# Altium PCB DRS4-PCB.PcbDoc (part 5 of 15) (continued)
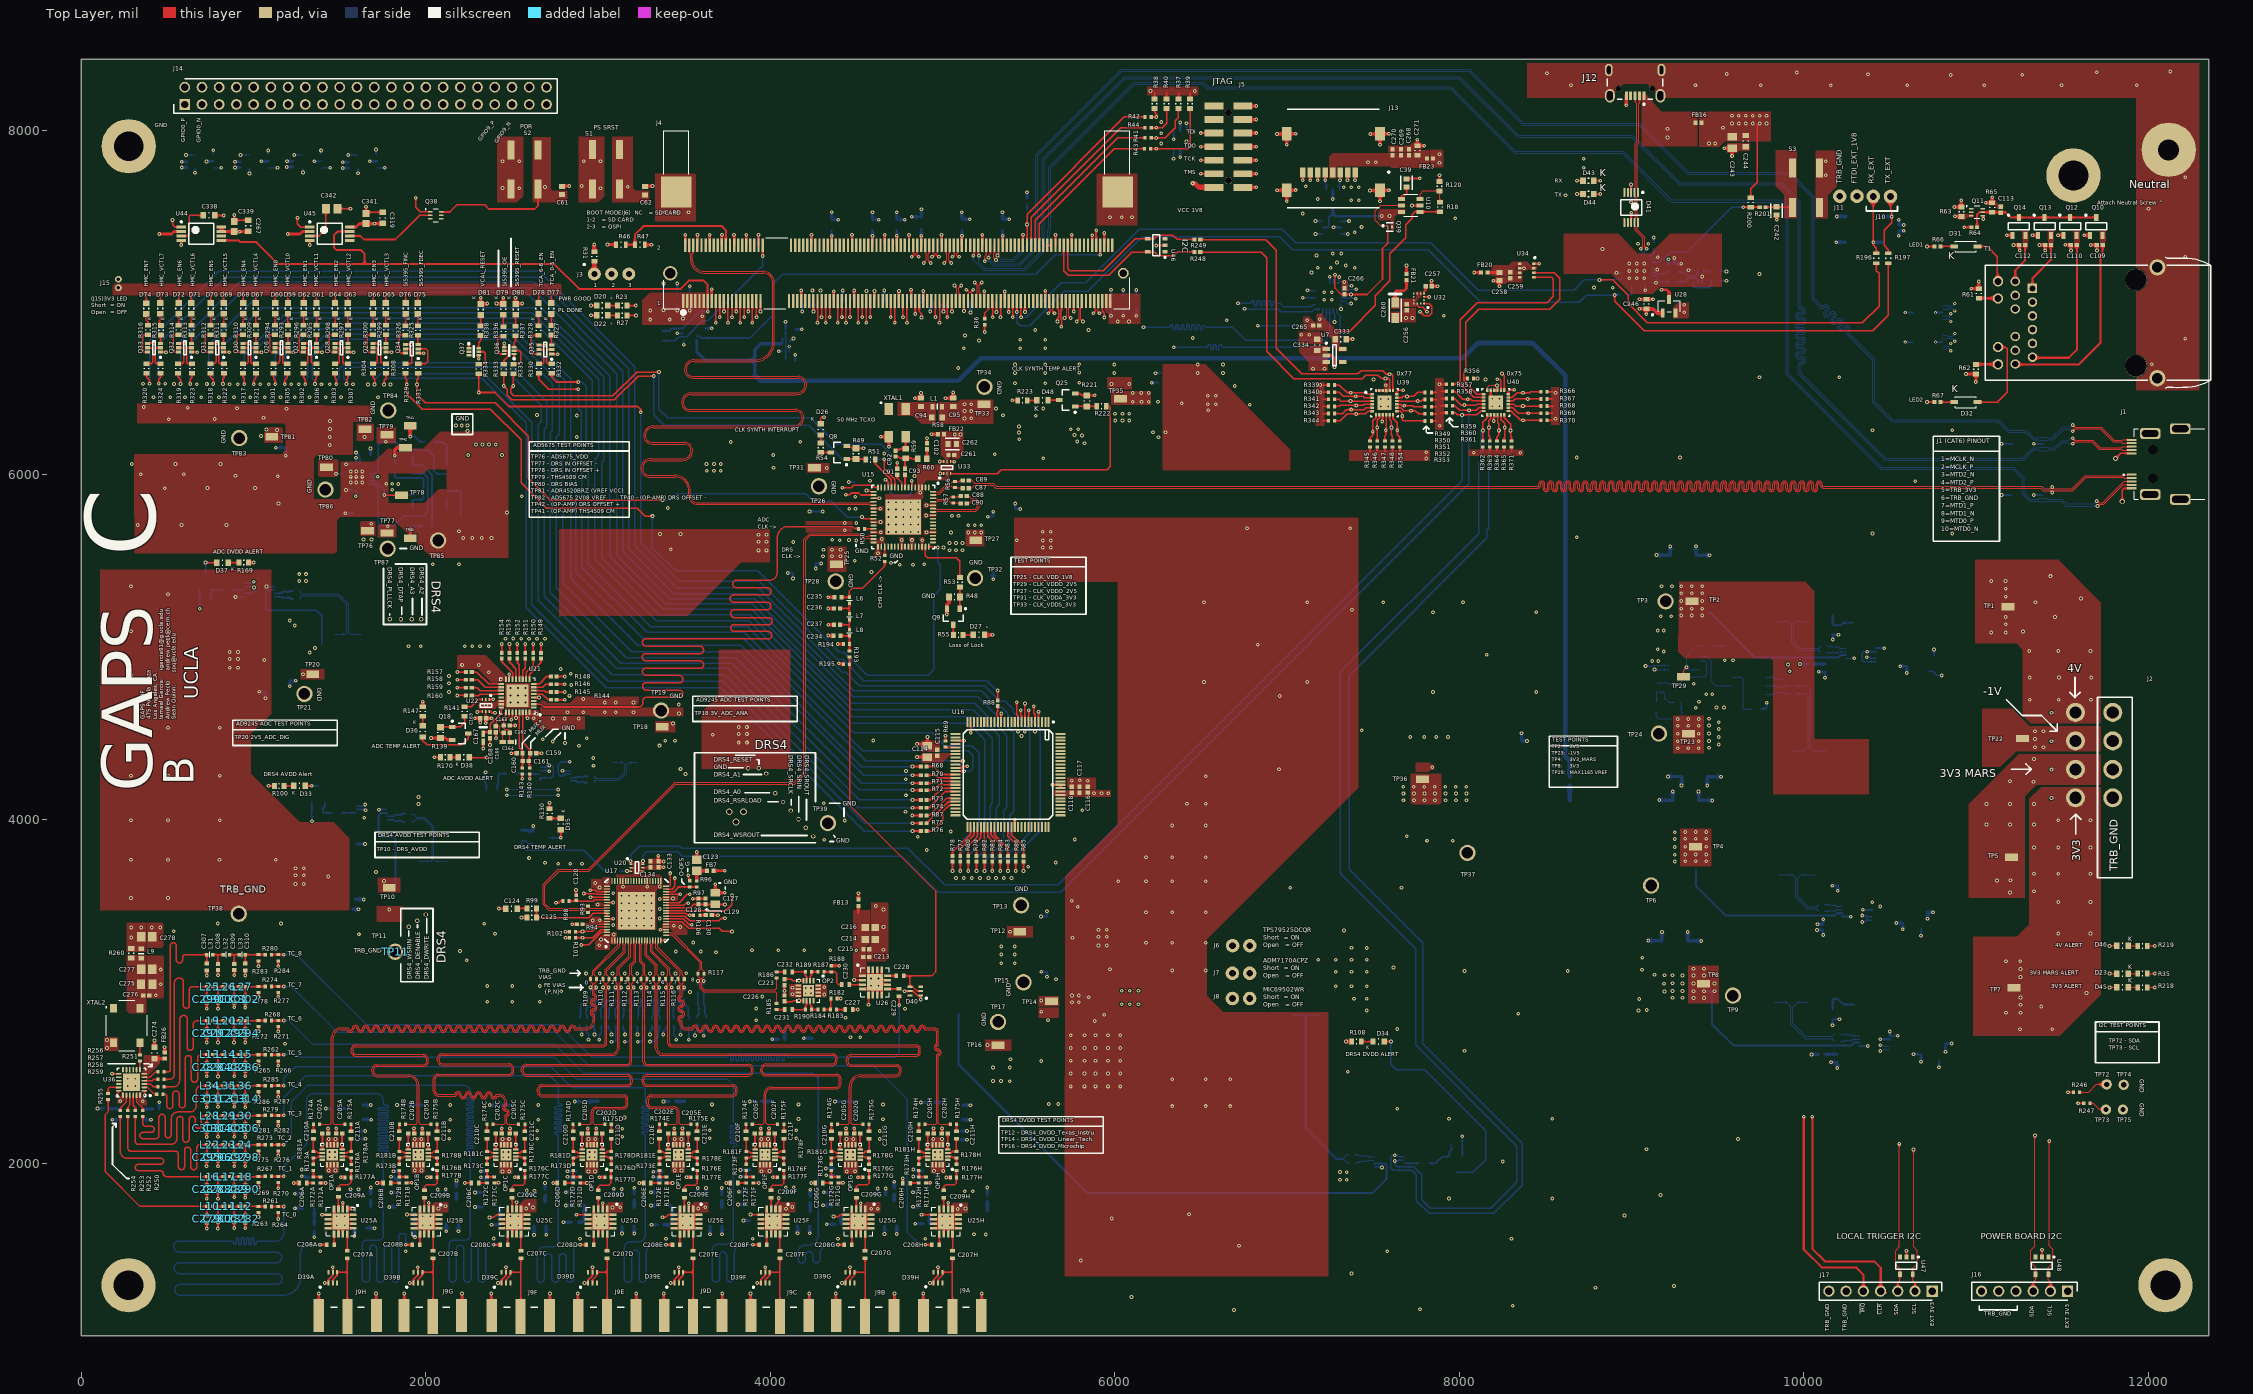
[diagram p0: Top Layer view]
## Part data (continued)
R21: library part CMP-1012-00110-1, "33K 0.1W 5% 0603 (1608 Metric)  SMD", Case-EIA=0603, Case-Metric=1608, Power="0.1 W", Tolerance="5 %", Technology=SMT
R23 R27 R35 R54 R55 R61 R62 R100 R108 R130 R147 R169 R170 R202 R203 R218 R219 R223 R293 R294 R295 R296 R297 R298 R299 R300 R309 R310 R311 R312 R313 R314 R315 R316 R325 R326 R327 R328 R336 R337 R338: library part CMP-1012-00070-1, "680R 0.1W 5% 0603 (1608 Metric)  SMD", Case-EIA=0603, Case-Metric=1608, Power="0.1 W", Tolerance="5 %", Technology=SMT
R24 R31 R200: library part CMP-1012-00074-1, "1K 0.1W 5% 0603 (1608 Metric)  SMD", Case-EIA=0603, Case-Metric=1608, Power="0.1 W", Tolerance="5 %", Technology=SMT
R30 R33 R64 R66 R67 R68 R70 R71 R72 R73 R74 R75 R76 R77 R78 R79 R80 R81 R82 R83 R84 R85 R86 R87 R88 R90 R92 R94 R103 R105 R144 R145 R146 R148 R149 R150 R151 R152 R153 R154 R157 R158 R159 R160 R161 R162 R165 R166 R198 R199 R201 R206 R207 R208 R212 R213 R214 R248 R249: "0R 0.062W 1% 0402 (1005 Metric)  SMD", Resistance="0R 1% 0402", Supplier Part Number 1=71-CRCW04020000Z0EDC, Supplier 1=Mouser
R32 R48 R49 R91 R104 R119 R139 R163 R164 R209 R210 R221: library part CMP-1012-00122-1, "100K 0.1W 5% 0603 (1608 Metric)  SMD", Case-EIA=0603, Case-Metric=1608, Power="0.1 W", Tolerance="5 %", Technology=SMT
R36: "20R 62.5mW 1% 0402 (1005 Metric)  SMD", Resistance="20R 1% 0402", Supplier Part Number 1=755-SFR01MZPF20R0, Supplier 1=Mouser
R41 R43 R44 R56 R57 R93 R98 R109 R110 R111 R112 R113 R114 R115 R116 R117: library part CMP-1011-00050-1, "100R 0.063W 5% 0402 (1005 Metric)  SMD", Case-EIA=0402, Case-Metric=1005, Power="0.063 W", Tolerance="5 %", Technology=SMT
R42 R50 R52 R140 R143 R179A R179B R179C R179D R179E R179F R179G R179H R180A R180B R180C R180D R180E R180F R180G R180H R191 R192: library part CMP-1011-00320-1, "22R 0.063W 1% 0402 (1005 Metric)  SMD", Case-EIA=0402, Case-Metric=1005, Power="0.063 W", Tolerance="1 %", Technology=SMT
R45 R106 R172A R172B R172C R172D R172E R172F R172G R172H R183: library part CMP-1011-00363-1, "49R9 0.063W 1% 0402 (1005 Metric)  SMD", Case-EIA=0402, Case-Metric=1005, Power="0.063 W", Tolerance="1 %", Technology=SMT
R46 R47 R196 R197: "0603 Do not place resistor", Resistance="DNP 0603"
R58: library part Res_Yageo_RT0603BRE078KL_8K, "8K 0.1W 1% 0603 (1608 Metric)  SMD", Supplier Part Number 1=603-RT0603BRE078KL, Supplier 1=Mouser
R59: library part CMP-2000-00511-1, "ERJ-3EKF4530V", Manufacturer=Panasonic, Part Number=ERJ-3EKF4530V
R60: library part CMP-2000-00559-1, "ERJ-3EKF5490V", Manufacturer=Panasonic, Part Number=ERJ-3EKF5490V
R69 R194 R195 R263 R264 R265 R266 R269 R270 R271 R272 R275 R276 R277 R278 R281 R282 R283 R284 R286 R287: library part CMP-1011-00449-1, "300R 0.063W 1% 0402 (1005 Metric)  SMD", Case-EIA=0402, Case-Metric=1005, Power="0.063 W", Tolerance="1 %", Technology=SMT
R89 R118 R127 R128: "Current Sense Resistors - SMD .1 OHM.25% 3/4W", Built_By=EMA_UL_Team, Copyright="Copyright (C) 2018 Accelerated Designs. All rights reserved", Manufacturer_Part_Number=LVK20R100CER, RefDes=RefDes, SourceLibrary=Ohmite_2014-12-31, Type=DEV, Vendor=Ohmite
R96 R97 R101 R102 R246 R247 R339 R340 R341 R342 R343 R344 R345 R346 R347 R348 R349 R350 R351 R352 R353 R354 R356 R357 R358 R359 R360 R361 R362 R363 R364 R365 R366 R367 R368 R369 R370 R371: library part CMP-1011-00514-1, "1K1 0.063W 1% 0402 (1005 Metric)  SMD", Case-EIA=0402, Case-Metric=1005, Power="0.063 W", Tolerance="1 %", Technology=SMT
R99: library part CMP-1012-00053-1, "130R 0.1W 5% 0603 (1608 Metric)  SMD", Case-EIA=0603, Case-Metric=1608, Power="0.1 W", Tolerance="5 %", Technology=SMT
R126: library part CMP-2000-00317-1, "ERJ-3EKF2001V RES SMD 2K OHM 1% 1/10W 0603", Manufacturer=Panasonic, Part Number=ERJ-3EKF2001V
R171A R171B R171C R171D R171E R171F R171G R171H R177A R177B R177C R177D R177E R177F R177G R177H R182 R188: library part CMP-1011-00374-1, "61R9 0.063W 1% 0402 (1005 Metric)  SMD", Case-EIA=0402, Case-Metric=1005, Power="0.063 W", Tolerance="1 %", Technology=SMT
R173A R173B R173C R173D R173E R173F R173G R173H R176A R176B R176C R176D R176E R176F R176G R176H R184 R187: library part CMP-1011-00420-1, "165R 0.063W 1% 0402 (1005 Metric)  SMD", Case-EIA=0402, Case-Metric=1005, Power="0.063 W", Tolerance="1 %", Technology=SMT
R174A R174B R174C R174D R174E R174F R174G R174H R175A R175B R175C R175D R175E R175F R175G R175H R185 R186: library part CMP-1011-00302-1, "15R 0.063W 1% 0402 (1005 Metric)  SMD", Case-EIA=0402, Case-Metric=1005, Power="0.063 W", Tolerance="1 %", Technology=SMT
R178A R178B R178C R178D R178E R178F R178G R178H R181A R181B R181C R181D R181E R181F R181G R181H R189 R190: library part CMP-1011-00457-1, "348R 0.063W 1% 0402 (1005 Metric)  SMD", Case-EIA=0402, Case-Metric=1005, Power="0.063 W", Tolerance="1 %", Technology=SMT
R193 R261 R262 R267 R268 R273 R274 R279 R280 R285: library part CMP-1011-00311-1, "18R 0.063W 1% 0402 (1005 Metric)  SMD", Case-EIA=0402, Case-Metric=1005, Power="0.063 W", Tolerance="1 %", Technology=SMT
R250 R252 R253 R254 R255 R256 R257 R258 R259: library part CMP-1011-00341-1, "33R 0.063W 1% 0402 (1005 Metric)  SMD", Case-EIA=0402, Case-Metric=1005, Power="0.063 W", Tolerance="1 %", Technology=SMT
R251: library part CMP-1011-00328-1, "25R5 0.063W 1% 0402 (1005 Metric)  SMD", Case-EIA=0402, Case-Metric=1005, Power="0.063 W", Tolerance="1 %", Technology=SMT
R260: library part CMP-1012-00284-1, "10R 0.1W 1% 0603 (1608 Metric)  SMD", Case-EIA=0603, Case-Metric=1608, Power="0.1 W", Tolerance="1 %", Technology=SMT
R288 R289 R291: library part CMP-009-00027-1, "Chip Resistor, 22 Ohm, +/- 1%, 100 mW, -55 to 155 degC, 0603 (1608 Metric)", Case/Package=0603, Max Operating Temperature=155°C, Min Operating Temperature=-55°C, Power=100mW, Resistance=22, Tolerance=1%, Voltage Rating=75V, Mounting Technology=SM, RoHS Compliant=True
R290 R292: "RES SMD 16.9k OHM 5% 1/10W 0603", Resistance="16.9K 1% 0603", Supplier Part Number 1=667-ERJ-3EKF1692V, Supplier 1=Mouser
S1 S2 S3: "Tactile Switches Tact 6.2 x 6.2, 5.1 mm H, 1.7N, J leads, Potting Friendly, IP67", Supplier Part Number 1=611-KSC421J70SHLFSPF, Supplier 1=Mouser
T1: "WE-RJ45 LAN Transformer, 10/100/1000 Base-T, THT, Port 1x1, Tab Up", Operating Temperature="0 to +70 degC", Supplier Part Number 1=710-7499111221A, ComponentLink1Description=Manufacturer, ComponentLink1URL=http://www.we-online.de, ComponentLink2Description=Datasheet, ComponentLink2URL=http://katalog.we-online.de/pbs/datasheet/7499111221A.pdf, Data Rate="10/100/1000 Base-T", LED (Left-Right)=green-green, Mounting Technology=THT, Part Number=7499111221A, PoE=non-PoE, Port Number=1x1, Published Date="Dec. 2017", Publisher="Wurth Elektronik", Supplier 1=Mouser, Tab Position=Up, USB=No
TP1 TP2 TP4 TP5 TP7 TP8 TP10 TP12 TP14 TP16 TP18 TP20 TP22 TP23 TP25 TP27 TP29 TP31 TP33 TP35 TP36 TP40 TP41 TP42 TP76 TP77 TP78 TP79 TP80 TP81 TP82: "Circuit Board Hardware - PCB SMT Mini Test Terminal, Reel", Supplier Part Number 1=76Y5391, Series=S2761-46R, Supplier 1=Newark
TP3 TP6 TP9 TP11 TP13 TP15 TP17 TP19 TP21 TP24 TP26 TP28 TP32 TP34 TP37 TP38 TP39 TP83 TP84 TP85 TP86 TP87: "Circuit Board Hardware - PCB TEST POINT BLK .063", Supplier Part Number 1=534-5006, Series=5006, Supplier 1=Mouser
TP72 TP73 TP74 TP75: "Headers & Wire Housings Unshrouded 1 POS T/H", Supplier Part Number 1=571-51462801, Series=5-146280-1, Supplier 1=Mouser
U1 U2 U6: "Single Output High PSRR LDO, 500 mA, Fixed 2.5 V Output, 2.7 to 5.5 V Input, 6-pin SOT-223 (DCQ), -40 to 125 degC, Green (RoHS & no Sb/Br)", Manufacturer="Texas Instruments", Rating=Catalog, Supplier Part Number 1=595-TPS79525DCQR, Accuracy(%)=2, ComponentLink1Description="Manufacturer URL", ComponentLink1URL=http://www.ti.com/, ComponentLink2Description=Datasheet, ComponentLink2URL=http://www.ti.com/general/docs/lit/getliterature.tsp?genericPartNumber=TPS79525&fileType=pdf, ComponentLink3Description="Package Specification", ComponentLink3URL=http://www.ti.com/litv/pdf/mpds098c, DatasheetVersion=SLVS350H, Eco-Plan="Green (RoHS & no Sb/Br)", Fixed Output Options(V)=2.5, Iout(Max)(A)=0.5, Iq(Typ)(mA)=0.26, Mounting Technology="Surface Mount", PackageDescription="6-Pin Plastic Small Outline, Body 3.5 x 6.5 mm, Pitch 1.27 mm", PackageReference=DCQ0006A, PackageVersion=4202109/D, PartNumber=TPS79525DCQR, SubFamily="Single Channel LDO", Supplier 1=Mouser, Supplier 2=Digi-Key, Supplier 3=Arrow, Supplier Part Number 2=296-41778-6-ND, Supplier Part Number 3=TPS79525DCQR, Vdo(Typ)(mV)=110, Vin(Max)(V)=5.5, Vin(Min)(V)=2.7, Vout Adj(Max)(V)=2.5, Vout Adj(Min)(V)=2.5
U3: "LDO Voltage Regulators 5A Low VIN LDO Regulator with 0.5Vref", Supplier Part Number 1=998-MIC69502WRTR, Series=MIC69502WR-TR, Supplier 1=Mouser
U4: "LDO Voltage Regulators 0.5A Hi PSRR FT LDO 2.5V", Supplier Part Number 1=584-ADM7170ACPZ2.5R7, Series=ADM7170ACPZ-2.5-R7, Supplier 1=Mouser
U5: "Single Output High PSRR LDO, 500 mA, Fixed 3 V Output, 2.7 to 5.5 V Input, 6-pin SOT-223 (DCQ), -40 to 125 degC, Green (RoHS & no Sb/Br)", Manufacturer="Texas Instruments", Rating=Catalog, Supplier Part Number 1=595-TPS79530DCQR, Accuracy(%)=2, ComponentLink1Description="Manufacturer URL", ComponentLink1URL=http://www.ti.com/, ComponentLink2Description=Datasheet, ComponentLink2URL=http://www.ti.com/general/docs/lit/getliterature.tsp?genericPartNumber=TPS79530&fileType=pdf, ComponentLink3Description="Package Specification", ComponentLink3URL=http://www.ti.com/litv/pdf/mpds098c, DatasheetVersion=SLVS350H, Eco-Plan="Green (RoHS & no Sb/Br)", Fixed Output Options(V)=3, Iout(Max)(A)=0.5, Iq(Typ)(mA)=0.26, Mounting Technology="Surface Mount", PackageDescription="6-Pin Plastic Small Outline, Body 3.5 x 6.5 mm, Pitch 1.27 mm", PackageReference=DCQ6, PackageVersion=4202109/D, PartNumber=TPS79530DCQR, SubFamily="Single Channel LDO", Supplier 1=Mouser, Vdo(Typ)(mV)=110, Vin(Max)(V)=5.5, Vin(Min)(V)=2.7, Vout Adj(Max)(V)=3, Vout Adj(Min)(V)=3
U7: "Single Output LDO, 300 mA, Fixed 1.8 V Output, 2 to 5.5 V Input, with Low IQ, 5-pin SOT-23 (DBV), -40 to 125 degC, Green (RoHS & no Sb/Br)", Manufacturer="Texas Instruments", Accuracy(%)=2, Code_JEDEC=MO-178, ComponentLink1Description="Manufacturer URL", ComponentLink1URL=http://www.ti.com/, ComponentLink2Description=Datasheet, ComponentLink2URL=http://www.ti.com/general/docs/lit/getliterature.tsp?genericPartNumber=TLV70218&fileType=pdf, ComponentLink3Description="Package Specification", ComponentLink3URL=http://www.ti.com/litv/pdf/mpds018i, DatasheetVersion=SLVSAG6B, Eco-Plan="Green (RoHS & no Sb/Br)", Fixed Output Options(V)=1.8, Iout(Max)(A)=0.3, Iq(Typ)(mA)=0.03, Mounting Technology="Surface Mount", PackageDescription="5-Pin Plastic Small Outline, Body 1.60 Ãƒâ€” 2.90 mm, Pitch 0.95 mm", PackageReference=DBV5, PackageVersion=4073253-4/K, PartNumber=TLV70218DBVT, SubFamily="Single Channel LDO", Vdo(Typ)(mV)=220, Vin(Max)(V)=5.5, Vin(Min)(V)=2, Vout Adj(Max)(V)=1.8, Vout Adj(Min)(V)=1.8
U8: library part CMP-0395-00376-2, "Single Output High PSRR LDO, 1.5 A, Fixed 1.8 V Output, 2.7 to 5.5 V Input, 6-pin SOT-223 (DCQ), -40 to 125 degC, Green (RoHS & no Sb/Br)", Manufacturer="Texas Instruments", Accuracy(%)=3, ComponentLink1Description="Manufacturer URL", ComponentLink1URL=http://www.ti.com/, ComponentLink2Description=Datasheet, ComponentLink2URL=http://www.ti.com/general/docs/lit/getliterature.tsp?genericPartNumber=TPS78618&fileType=pdf, ComponentLink3Description="Package Specification", ComponentLink3URL=http://www.ti.com/litv/pdf/mpds098c, DatasheetVersion=SLVS389L, Eco-Plan="Green (RoHS & no Sb/Br)", Fixed Output Options(V)=1.8, Iout(Max)(A)=1.5, Iq(Typ)(mA)=0.2, Mounting Technology="Surface Mount", PackageDescription="6-Pin Plastic Small Outline, Body 3.5 x 6.5 mm, Pitch 1.27 mm", PackageReference=DCQ0006A, PackageVersion=4202109/D, PartNumber=TPS78618DCQ, SubFamily="Single Channel LDO", Vdo(Typ)(mV)=390, Vin(Max)(V)=5.5, Vin(Min)(V)=2.7, Vout Adj(Max)(V)=1.8, Vout Adj(Min)(V)=1.8
U9: library part CMP-0394-00936-2, "Single Output High PSRR LDO, 250 mA, Fixed 2.5 V Output, 2.7 to 5.5 V Input, 6-pin SOT-223 (DCQ), -40 to 85 degC, Green (RoHS & no Sb/Br)", Manufacturer="Texas Instruments", Accuracy(%)=3, ComponentLink1Description="Manufacturer URL", ComponentLink1URL=http://www.ti.com/, ComponentLink2Description=Datasheet, ComponentLink2URL=http://www.ti.com/general/docs/lit/getliterature.tsp?genericPartNumber=TPS79425&fileType=pdf, ComponentLink3Description="Package Specification", ComponentLink3URL=http://www.ti.com/litv/pdf/mpds098c, DatasheetVersion=SLVS349E, Eco-Plan="Green (RoHS & no Sb/Br)", Fixed Output Options(V)=2.5, Iout(Max)(A)=0.25, Iq(Typ)(mA)=0.26, Mounting Technology="Surface Mount", PackageDescription="6-Pin Plastic Small Outline, Body 3.5 x 6.5 mm, Pitch 1.27 mm", PackageReference=DCQ0006A, PackageVersion=4202109/D, PartNumber=TPS79425DCQR, SubFamily="Single Channel LDO", Vdo(Typ)(mV)=155, Vin(Max)(V)=5.5, Vin(Min)(V)=2.7, Vout Adj(Max)(V)=2.5, Vout Adj(Min)(V)=2.5
U10: "No Description Available", Built_By=EMA_UL_Team, Copyright="Copyright (C) 2018 Accelerated Designs. All rights reserved", Manufacturer_Part_Number=MAX6820UT+T, RefDes=RefDes, Revision=1, SourceLibrary=Maxim_2014-06-20, Type=DEV, Vendor="Maxim Integrated Products"
U11 U12: library part CMP-0394-00316-2, "Single Output Fast RF LDO, 200 mA, Fixed 3.3 V Output, 2.7 to 5.5 V Input, 5-pin SOT-23 (DBV), -40 to 125 degC, Green (RoHS & no Sb/Br)", Manufacturer="Texas Instruments", Rating="HiRel Enhanced Product", Accuracy(%)=2, Code_JEDEC=MO-178, ComponentLink1Description="Manufacturer URL", ComponentLink1URL=http://www.ti.com/, ComponentLink2Description=Datasheet, ComponentLink2URL=http://www.ti.com/general/docs/lit/getliterature.tsp?genericPartNumber=TPS79333-EP&fileType=pdf, ComponentLink3Description="Package Specification", ComponentLink3URL=http://www.ti.com/litv/pdf/mpds018i, DatasheetVersion=SGLS163B, Eco-Plan="Green (RoHS & no Sb/Br)", Fixed Output Options(V)=3.3, Iout(Max)(A)=0.2, Iq(Typ)(mA)=0.2, Mounting Technology="Surface Mount", PackageDescription="5-Pin Plastic Small Outline, Body 1.60 Ãƒâ€” 2.90 mm, Pitch 0.95 mm", PackageReference=DBV0005A, PackageVersion=4073253-4/K, PartNumber=TPS79333DBVREP, SubFamily="Single Channel LDO", Vdo(Typ)(mV)=102, Vin(Max)(V)=5.5, Vin(Min)(V)=2.7, Vout Adj(Max)(V)=3.3, Vout Adj(Min)(V)=3.3
U13: library part CMP-0395-00444-2, "Single Output High PSRR LDO, 500 mA, Fixed 2.5 V Output, 2.7 to 5.5 V Input, 6-pin SOT-223 (DCQ), -40 to 125 degC, Green (RoHS & no Sb/Br)", Manufacturer="Texas Instruments", Rating=Catalog, Supplier Part Number 1=595-TPS79525DCQR, Accuracy(%)=2, ComponentLink1Description="Manufacturer URL", ComponentLink1URL=http://www.ti.com/, ComponentLink2Description=Datasheet, ComponentLink2URL=http://www.ti.com/general/docs/lit/getliterature.tsp?genericPartNumber=TPS79525&fileType=pdf, ComponentLink3Description="Package Specification", ComponentLink3URL=http://www.ti.com/litv/pdf/mpds098c, DatasheetVersion=SLVS350H, Eco-Plan="Green (RoHS & no Sb/Br)", Fixed Output Options(V)=2.5, Iout(Max)(A)=0.5, Iq(Typ)(mA)=0.26, Mounting Technology="Surface Mount", PackageDescription="6-Pin Plastic Small Outline, Body 3.5 x 6.5 mm, Pitch 1.27 mm", PackageReference=DCQ0006A, PackageVersion=4202109/D, PartNumber=TPS79525DCQR, SubFamily="Single Channel LDO", Supplier 1=Mouser, Vdo(Typ)(mV)=110, Vin(Max)(V)=5.5, Vin(Min)(V)=2.7, Vout Adj(Max)(V)=2.5, Vout Adj(Min)(V)=2.5
U14 U18 U19 U23 U24 U29 U30: "Current & Power Monitors & Regulators Automotive, 36-V, Ultra-High Accuracy, Low-/High-Side, I2C Out Current/Power Monitor w/ Alert 10-VSSOP -40 to 125", Supplier Part Number 1=595-INA226AQDGSRQ1, Supplier 1=Mouser
U15: "Clock Synthesizer / Jitter Cleaner Single PLL jitter attenuator with xtal: 12-outputs up to 1028 MHz; integer+fractional", Supplier Part Number 1=634-SI5395A-A-GM, Series=SI5395A-A-GM, Supplier 1=Mouser
U16: "Interface - I/O Expanders 60BIT IO EXPANDER W/EEPROM", Supplier Part Number 1=727-CY8C9560A-24AXI, Series=CY8C9560A-24AXI, Supplier 1=Mouser
U17: library part DRS4, "DRS4 QFN76 DAQ Chip", Series=DRS4
U20 U22 U33: "Board Mount Temperature Sensors Hi-Prec Lo-Pwr Dig Temp Sensor", Supplier Part Number 1=595-TMP112AIDRLR, Supplier 1=Mouser
U21: library part AD9245BCPZ-40, "Analog to Digital Converters - ADC 14-Bit 40 MSPS 3V", Supplier Part Number 1=584-AD9245BCPZ-40, Built_By=EMA_UL_Team, C="Copyright (C) 2015 Accelerated Designs. All rights reserved", Part=AD9245BCPZ-40, RefDes=RefDes, Series=AD9245BCPZ-40, Supplier 1=Mouser, Type=DEV, Vendor="Analog Devices Inc"
U25A U25B U25C U25D U25E U25F U25G U25H U26: library part HMC849ALP4CE, "RF Switch ICs DC-6 GHZ Hi Isolation Switch", Supplier Part Number 1=584-HMC849ALP4CE, Built_By="Analog Devices Imc.", Manufacturer_Part_Number=HMC849ALP4CE, RefDes=RefDes, Series=HMC849ALP4CE, Supplier 1=Mouser, Type=DEV, Vendor="Analog Devices Inc"
U27: "USB Interface IC USB to Serial UART Enhanced IC QFN-32", Supplier Part Number 1=895-FT232RQ, Series=FT232RQ, Supplier 1=Mouser
U28: "LDO Voltage Regulators 1.8V 3-Lead SOT-23 300mA Ultra Low Iq LDO with Auto-Discharge", Built_By=EMA_Cory, Copyright="Copyright (C) 2018 Accelerated Designs. All rights reserved", Datasheet=http://ww1.microchip.com/downloads/en/DeviceDoc/MCP1811A-11B-12A-12B-Data-Sheet-20006088B.pdf, Manufacturer_Part_Number=MCP1812AT-018/TT, RefDes=RefDes, SourceLibrary=Microchip_2020-03-04, Type=DEV, Vendor=Microchip
U31: "High-Side Measurement Current-Shunt Monitor with Comparator and Reference", Manufacturer="Texas Instruments", PACKAGE_DESIGNATOR=D, Copyright="Copyright (C) 2018 Accelerated Designs. All rights reserved", Datasheet_URL=http://www.ti.com/lit/gpn/INA200, FAMILY_NAME="CURRENT SHUNT MONITOR", GENERIC_PART_NUMBER=INA200, INDUSTRY_STD_PKG_TYPE=SOIC, Manufacturer_Part_Number=INA200AIDR, PIN_COUNT=8, RefDes=RefDes, Type=DEV, Vendor="Texas Instruments"
U32: "Board Mount Hall Effect / Magnetic Sensors Ultra Lo-Pwr Hi Perf 3-Axis 1.9-3.6V", Supplier Part Number 1=511-LIS3MDLTR, Supplier 1=Mouser
U34: "Board Mount Humidity Sensors", Supplier Part Number 1=262-BME280, Supplier 1=Mouser
U35: "Interface - I/O Expanders SDIO Port Expander", Supplier Part Number 1=595-TXS02612RTWR, Series=TXS02612RTWR, Supplier 1=Mouser
U36: "Clock Buffer LVCMOS 2:12 buffer (200MHz), 2:1 LVCMOS input max, output enable (QFN24)", Supplier Part Number 1=634-SI53362-B-GM, Supplier 1=Mouser
U37: library part AD5675BCPZ-REEL7, "Digital to Analog Converters - DAC 16-bit octal I2C nanoDAC", Supplier Part Number 1=584-AD5675BCPZ-REEL7, Built_By="Analog Devices Inc.", Manufacturer_Part_Number=AD5675BCPZ-REEL7, RefDes=RefDes, Series=AD5675BCPZ-REEL7, Supplier 1=Mouser, Type=DEV, Vendor="Analog Devices Inc"
U38: library part CMP-0784-00295-1, "Ultralow Noise, High Accuracy Voltage Reference, 2.048 V Output, 3 to 15 V Supply, Industrial, 8-pin SOIC (R-8), Reel", Manufacturer="Analog Devices", Operating Temp Range="-40 to 125 degC", Code_JEDEC=MS-012-AA, ComponentLink1Description="Manufacturer URL", ComponentLink1URL=http://www.analog.com/en/index.html, ComponentLink2Description=Datasheet, ComponentLink2URL=http://www.analog.com/static/imported-files/data_sheets/ADR4520_4525_4530_4533_4540_4550.pdf, ComponentLink3Description="Package Specification", ComponentLink3URL=http://www.analog.com/static/imported-files/packages/PKG_PDF/SOIC_Narrow%20(R)/R_8.pdf, ComponentLink4Description="URL Link1", ComponentLink4URL="Product URL:http://www.analog.com/en/special-linear-functions/voltage-references/adr4520/products/product.html", DatasheetVersion="Rev. 0", Max V Supply (V)=15, Min V Supply (V)=3, Mounting Technology="Surface Mount", PackageDescription="8-Pin Standard Small Outline Package, Body 4.9 x 3.9 mm, Pitch 1.27 mm", PackageReference=R-8, PackageVersion="060506-A, 06/2006", Packing=Reel, PartNumber=ADR4520BRZ-R7, Ref Out TC (ppm/C)=2, Vout=2.048V
U39 U40: "Multiplexer Switch ICs 8CH I2C SWTCH W/REST", Supplier Part Number 1=771-PCA9548ABS118, Series=PCA9548ABS,118, Supplier 1=Mouser
U43: "IC OPAMP GP 1 CIRCUIT SOT23-5", Supplier Part Number 1=595-LM321LVIDBVR, Part Number=LM321LVIDBVR, Supplier 1=Mouser
U44 U45: library part PMU_Texas_Instruments_TLC7733IPWR_2.93, "Supervisory Circuits 2.93V Monitor", Manufacturer 1="Texas Instruments", Supplier Part Number 1=595-TLC7733IPWR, Manufacturer Part Number 1=TLC7733IPWR, Supplier 1=Mouser
U46 U47 U48: "3.6V Data-Line Surge and 30kV ESD Protection Diode", Manufacturer="Texas Instruments", PartNumber=ESDS312DBVR, RefDes=RefDes, Type=DEV
XTAL1: "TCXO Oscillators 50MHz 5x3.2x1.5mm 0.2ppm max Crystal", Supplier Part Number 1=81-XTCLH50M000CHJA3P, Supplier 1=Mouser, Supplier 2=Digi-Key, Supplier Part Number 2=490-18042-1-ND
XTAL2: library part AST3TQ-28, "TCXO Oscillators 25MHz 3.3Volt LVCMOS 0.280 ppm -40C 85C", Manufacturer 1="Abracon LLC", Manufacturer Part Number 1=AST3TQ-T-25.000MHZ-28, Supplier Part Number 1=535-12700-ND, Supplier 1=Digikey
U49: ComponentLink1Description=helpURL, ComponentLink1URL=https://www.maximintegrated.com/en/products/analog/data-converters/analog-to-digital-converters/MAX11645.html, Part Number=MAX11645EUA+, Supplier 1=Mouser, Supplier Part Number 1=https://www.mouser.com/ProductDetail/Maxim-Integrated/MAX11645EUA%2B?qs=Bakm8ERcljromEtBj8vNxg%3D%3D

## Free pads (board coordinates)
  round 314.96 hole 173: 2(273.72,1294.72) 2(275.16,7906.65) 2(11564.4,7737.66) 2(12098.7,1294.72)
  round 314.96 hole 122.05: 2(12117.8,7886.23)

## Via types
v1: diameter 21.65, hole 10, Top Layer to Bottom Layer, 2294 vias
v2: diameter 25, hole 15, Top Layer to Bottom Layer, 16 vias
v3: diameter 19, hole 8, Top Layer to Bottom Layer, 12 vias
v4: diameter 40, hole 28, Top Layer to Bottom Layer, 3 vias
v5: diameter 30, hole 20, Top Layer to Bottom Layer, 2 vias
v6: diameter 27.56, hole 10, Top Layer to Bottom Layer, 1 vias
v7: diameter 18, hole 10, Top Layer to Bottom Layer, 1 vias

## Nets (pads, with @x,y where several pads share a name; then routed paths per layer and width w, separated by ;. In a path a pad name is that pad's centre, name@x,y a point inside that pad or via, vN(x,y) a via of type N, cw(c..) or ccw(c..) an arc to the next point about the centre after c; other vN are vias at no path point)
1V8_TXS02612RTWR: C265.1 C333.2 R18.2 U7.5 U10.1 U35.5 | length 1127.5
  Top Layer w8: 7289,6834 7362.36,6834 7511,6982.64 7511,7040 7596.03,7125.03 7596.03,7282.71 7688,7374.69 7688,7451 7725,7488 7725,7510 7742,7527 U10.1@7763,7527
  Top Layer w10: U10.1@7771.47,7525.6 7771.89,7526.02 7886.58,7526.02 R18.2@7887,7526.44
  Bottom Layer w8.72: v1(7189.09,6902.99) 7189.09,6921.07 7207.92,6939.91 U35.5@7207.91,6962.19
"2V5 ADC": C181.2 C182.2 C183.2 C184.1 C185.1 C186.1 C187.1 C188.1 C189.1 C190.2 C191.2 FB9.2 U21.16
  other v1: 2434.54,4811.62 2364.19,4852.94 2210.3,4895.12 2306.53,4895.12
2V5_ADC_DIG: C27.2 R128.4 TP20.1 U6.4 U24.8 | length 663
  Bottom Layer w7.87: U24.8@1122.61,5330.71 1080.5,5330.71 1070.83,5321.04 1070.83,5225.06 1082.79,5213.1 1363.54,5213.1 1395.37,5181.27 1395.37,5012.73
  other v1: 1286.08,4841.87
2V5_DRS_ANA: C9.2 R89.4 TP10.1 U1.4 U18.8 | length 519.8
  Bottom Layer w11.81: U18.8@1772.09,4036.82 1772.02,4036.75 1742.01,4036.75 1725.24,4019.98 1725.24,3912.76 1742,3895.99 1810.96,3895.99 1824.37,3882.59 1824.37,3635.44
  other v1: 1756.8,3641.68
2V5_REF: C325.2 TP82.1 U37.15 U38.6
  other v1: 1643.07,6218.71
3.3V: C5.1 C6.1 C7.2 C21.2 C25.2 C31.2 C36.2 C40.2 C42.1 C59.2 C60.2 C114.1 C115.2 C116.2 C117.2 C118.2 C121.2 C122.2 C131.2 C132.2 C133.2 C134.2 C163.1 C172.2 C173.2 C174.2 C175.2 C254.2 C255.2 C278.2 C315.2 C316.2 C317.2 C318.2 C329.2 C330.2 C334.2 D8.1 D11.1 D12.1 D14.1 D15.1 D25.3 D28.3 D29.3 D30.3 D54.5 D55.5 D56.5 D57.5 FB3.2 FB10A.1 FB10B.1 FB10C.1 FB10D.1 FB10E.1 FB10F.1 FB10G.1 FB10H.1 FB13.1 FB17.1 FB18.1 FB20.2 FB21.1 FB22.1 FB23.1 FB24.2 FB25.2 FB26.2 FB27.1 FB28.1 FB29.1 J1.5 J15.1 L9.2 Q7.2 Q8.2 Q9.2 Q15.2 Q16.2 Q17.2 Q18.2 Q19.2 Q20.2 Q22.2 Q23.2 Q25.2 R7.1 R12.1 R13.2 R16.1 R17.1 R32.2 R48.2 R49.2 R61.1 R62.1 R63.2 R91.2 R104.2 R118.4 R119.2 R121.1 R122.1 R139.2 R163.2 R164.2 R209.2 R210.2 R221.2 R260.1 R339.2 R340.2 R341.2 R342.2 R343.2 R344.2 R345.2 R346.2 R347.2 R348.2 R349.2 R350.2 R351.2 R352.2 R353.2 R354.2 R356.2 R357.2 R358.2 R359.2 R360.2 R361.2 R362.2 R363.2 R364.2 R365.2 R366.2 R367.2 R368.2 R369.2 R370.2 R371.2 TP8.1 U1.2 U5.2 U6.2 U7.1 U7.3 U8.2 U9.2 U14.2 U14.6 U16.32 U16.82 U16.83 U18.6 U19.6 U20.5 U22.5 U23.6 U24.6 U29.1 U29.8 U31.1 U31.5 U39.18 U39.21 U39.22 U39.23 U39.24 U40.18 U40.21 U40.22 U40.24 U43.5 U49.8 | length 6292
  Top Layer w5: U39.24@7515.94,6488.66 U39.23@7535.63,6488.66 U39.22@7555.31,6488.66 U39.21@7575,6488.66 ; U40.24@8162.4,6489.72 8162.4,6506.2 8174.65,6518.44 v1(8217.6,6518.44)
  Top Layer w7.87: Q8.2@4442,6166.29 4462.14,6166.29 4474.93,6153.49 R49.2@4496.95,6153.5 v1(4540.39,6153.5) ; Q25.2@5770.3,6471.49 Q25.2@5769.12,6470.31 5798.74,6470.31 5808.6,6460.46 v1(5883.54,6460.46) ; 7207.23,6313.5 R344.2@7239.92,6313.5 ; 7207.23,6354.84 R343.2@7239.92,6354.84 ; 7207.23,6396.19 R342.2@7239.92,6396.19 ; 7207.23,6437.54 R341.2@7239.92,6437.52 ; 7207.23,6520.24 R339.2@7239.92,6520.24 ; 7209.75,6479.33 R340.2@7242.44,6479.33 ; 7480.53,6127.06 R345.2@7480.53,6159.75 ; 7522.51,6127.06 R346.2@7522.51,6159.75 ; 7567.48,6127.06 R347.2@7567.48,6159.75 ; 7610.95,6127.06 R348.2@7610.95,6159.75 ; 7654.43,6127.06 R354.2@7654.43,6159.75 ; R353.2@7836.93,6311.94 7869.62,6311.94 ; R352.2@7836.93,6353.29 7869.62,6353.29 ; R351.2@7836.93,6394.64 7869.62,6394.64 ; R350.2@7836.93,6435.98 7869.62,6435.98 ; R349.2@7836.93,6477.33 7869.62,6477.33 ; 7892.12,6359.61 R361.2@7924.8,6359.61 ; 7892.12,6400.98 R360.2@7924.8,6400.98 ; 7892.12,6442.32 R359.2@7924.8,6442.32 ; 7892.12,6483.66 R358.2@7924.8,6483.66 ; v1@7892.12,6525.04 R357.2@7924.8,6525.04 ; R356.2@8082.28,6558.64 8104.63,6558.64 v1(8104.8,6558.46) ; 8135.31,6135.43 R362.2@8135.31,6159.76 R362.2@8135.31,6162.4 ; 8176.66,6135.43 R363.2@8176.66,6159.76 R363.2@8176.66,6162.4 ; 8218.01,6135.43 R364.2@8218.01,6162.4 ; 8259.36,6135.43 R365.2@8259.36,6159.76 R365.2@8259.36,6162.4 ; 8302.67,6135.43 R371.2@8302.67,6159.76 R371.2@8302.67,6162.4 ; R370.2@8509.33,6315.51 8542.02,6315.51 ; R369.2@8509.33,6356.85 8542.02,6356.86 ; R367.2@8509.33,6439.57 8542.02,6439.56 ; R366.2@8509.33,6480.91 8542.02,6480.91 ; R368.2@8514.65,6396.54 8547.33,6396.54
  Top Layer w9.84: U39.18@7636.02,6467.01 7636.02,6481.93 7644.38,6490.29 v1(7674.6,6490.29) ; U40.22@8201.77,6489.72 U40.21@8221.46,6489.72 ; U40.18@8282.48,6468.07 8282.48,6484.54 8290.47,6492.54 v1(8317.67,6492.54)
  Top Layer w10: v5(11848,5844) 11848,5909.54 11860.39,5921.92 J1.5@11886,5921.92
  Top Layer w11.81: v1(8217.6,6518.44) 8219.49,6516.56 8219.49,6506.2 8221.46,6504.23 U40.21@8221.46,6489.72
  Top Layer w15: FB21.1@7693,7166.51 v1(7693,7214)
  Top Layer w15.75: v1(482.76,2676.42) 483.8,2675.38 FB26.2@483.8,2645.17 ; v1(2030.1,4470.94) R139.2@2084.8,4470.94 2112.72,4470.94 2122.95,4460.72 Q18.2@2153.5,4460.72 ; v1(2347.8,4556.75) 2347.8,4584.59 2347.2,4585.19 2348.43,4586.41 2348.59,4586.24 v1(2381.54,4586.24) ; C133.2@3349.76,3720.79 v1(3380.28,3720.79) ; FB13.1@4510.87,3532.76 v1(4510.87,3569.53) ; v1(4850.67,4361.62) 4909.96,4361.62 C114.1@4911.65,4359.92 ; v1(4935.83,6235.28) FB22.1@4972.85,6235.28 ; v1(8086.21,7173.54) FB20.2@8126.05,7173.54 ; v1(10872.78,7554) 10914.18,7554 R63.2@10914.64,7554.46 10913.27,7555.83 v1(10913.27,7592.75) ; v1(10940.55,6584.87) R62.1@10999.02,6584.87 v1@10999.02,6538.65 ; v1(10971.64,7080.14) 10972.38,7080.88 11009.63,7080.88 11010.36,7080.14 R61.1@11015.41,7080.14 v1@11015.41,7123.27
  Top Layer w19.68: v1(5024.29,5188.4) 5024.29,5244.44 5037.23,5257.38 5037.23,5289.89 R48.2@5036.68,5290.43
  Power Layer 6 w8: 11203,5745 11224,5724 11728,5724 v5(11848,5844)
  Bottom Layer w5: D28.3@11385.6,5882 D28.3@11385.85,5881.75
  Bottom Layer w7.87: Q20.2@683.28,5333.81 683.28,5305.92 686.73,5302.47 R163.2@686.73,5265.89 v1(686.73,5221.91) ; Q15.2@1337.79,4100.01 1338.27,4099.53 v1(1338.27,3987.81) ; v1(2346.06,4273.15) 2346.06,4237.4 Q19.2@2345.49,4236.83 2345.66,4236.65 2345.66,4205.48 2351.42,4199.71 R164.2@2351.42,4168.9 ; Q16.2@8016.97,2041.59 v1@8016.97,2158.75
  Bottom Layer w8: v1(11335.07,5881.75) D28.3@11385.85,5881.75 ; v1(11335.07,6179) D25.3@11390.6,6179
  Bottom Layer w9.84: Q23.2@10755.47,4950.71 v1(10755.47,4985.5)
  Bottom Layer w11.81: v1@9412.21,3000.7 9455.29,3000.7 9466.19,2989.8 9466.19,2810.79 9590.06,2686.92 10275.51,2686.92 10291.41,2702.82 U29.8@10323.3,2702.82 ; v1(10341.69,3473.66) U14.2@10397.27,3473.66 ; v1(10498.5,2767) U29.1@10498.5,2742.2 v1(10544.5,2742.2) ; v1(10635.98,2635.2) 10677.43,2635.2 R209.2@10679.82,2632.81 10679.26,2632.26 v1(10679.26,2592.35) ; v3(10763.63,6769.7) D30.3@10805.79,6769.7 ; v3(10763.63,6941.14) D29.3@10805.79,6941.14 ; v1(10821.75,2650.17) 10821.75,2696.47 Q22.2@10822.1,2696.81 10822.75,2697.46 v1(10858.9,2697.46)
  Bottom Layer w15.75: v1(94.05,2320.16) FB25.2@129.54,2320.16 ; FB24.2@451.81,2317.29 v1(451.81,2356.58) ; v1(582.64,7816.11) 583.71,7817.18 C315.2@613.86,7817.18 ; v1(891.51,7816.69) C316.2@921.07,7816.69 ; v1(1193.07,7820.39) C317.2@1226.73,7820.39 ; v1(1516.61,7813.5) C318.2@1550.36,7813.5 ; FB10A.1@1679.76,1825.68 FB10A.1@1680.03,1825.95 ; R119.2@2555.24,3936.87 2582.4,3936.87 2588.09,3931.17 2623.16,3931.17 2623.16,3958.95 v1@2621.45,3960.67 ; FB10C.1@2691.97,1851.76 v1(2691.97,1887.76) ; FB10D.1@3209.84,1822.97 v1(3209.84,1859.91) ; v1(3717.46,1858.85) 3718.04,1858.26 FB10E.1@3718.04,1821.81 ; v1@5258.64,1861.38 v1(5258.71,1861.31) FB10H.1@5258.71,1816.37 ; v1(9977.81,4901.06) FB18.1@10019.51,4901.06 ; v1(10044.39,2633.9) FB17.1@10083.59,2633.9 ; v1(10078.35,3389.83) 10111.82,3389.83 C60.2@10111.82,3390.42 v1(10111.82,3419.64) ; v1(10535.98,3397.96) 10570.67,3397.96 R32.2@10573.09,3395.54 v1(10573.09,3360.54) ; v1(10559.78,4887.87) R210.2@10596.14,4887.87 10596.97,4887.04 v1(10596.97,4848.38) ; v1(10717.42,3421.97) Q7.2@10717.42,3459.36 v1(10749.82,3459.36)
  Bottom Layer w19.68: FB10A.1@1680.03,1825.95 v1(1680.03,1861.74) ; FB10B.1@2177.28,1864.72 v1(2177.28,1901.92) ; FB10F.1@4231.1,1810.58 v1(4231.1,1849.12) ; FB10G.1@4718.54,1859.47 v1(4718.54,1895.37)
  other v1: 7346.12,1950.46 7306.39,1951.5 8016.69,2159.04 7462.8,2889.67 9039.42,2889.54 9088.18,2892.8 9043.76,2955.65 7387.64,2956.93 7462.8,2956.93 9358.54,2962.39 9419.68,2962.39 9236.45,2963.41 9295.77,2962.97 9190.94,2999.46 9295.77,3002.34 9358.54,3001.76 9419.68,3001.76 9480.59,3001.76 9236.45,3002.78 7281.54,3029.76 7373.74,3029.76 7462.8,3029.76 9188.09,3044.98 9358.54,3045.97 9480.59,3045.97 9236.45,3046.99 9295.77,3046.56 9358.54,3092.31 9419.68,3092.31 9236.45,3093.33 9295.77,3092.89 9190.94,3094.76 9132.62,3097.61 7281.54,3114.96 7373.74,3114.96 7462.8,3114.96 9060.02,3125.78 9358.54,3131.68 9419.68,3131.68 7180.47,3184.25 7281.54,3184.25 7373.74,3184.25 7462.8,3184.25 9062.18,3196.22 7462.8,3251.74 7373.74,3253.55 289.21,3313.86 289.21,3371.06 347.64,3371.06 1709.99,3693.38 2623.15,3960.67 1957.2,4088.56 5879.09,4150.91 5922.44,4150.91 5962.13,4150.91 2973.7,4311.06 3355.9,4427.22 3390.12,4454.92 3445.91,4454.92 9433.1,4724.73 9467.54,4724.73 9361,4787 9918,4858.19 9907,4898 1326.14,4967.64 9187,4973.31 9152,4987 1355.62,4993.58 1265.25,5383.07 1303.75,5383.07 5039.72,5561 5076.88,5561 5115.78,5561 5039.72,5603.05 5076.88,5603.05 5115.78,5603.05 4402.81,5619.9 4456.87,5620.54 4358.94,5621.81 1637.3,5623.82 1684.15,5623.82 7808.03,6093.62 2246.32,6113.97 2441.44,6113.97 8083.11,6127.2 8353.54,6127.2 7807.98,6129.99 2291.01,6174.77 2329,6174.77 2367,6174.77 2405.77,6174.77 1042.85,6224.64 1074.58,6262.42 7886.2,6283.99 8557.6,6324.69 8557.6,6475.43 7191.46,6478.9 7191.46,6520.24 7572.89,6520.04 7884.72,6525.04 10998.31,6537.94 7150.43,6615.59 7217.41,6615.59 11014.77,7121.56 7884.8,7810.44 7884.8,7859.74
3V3_LED: D59.2 D60.2 D61.2 D62.2 D63.2 D64.2 D65.2 D66.2 D67.2 D68.2 D69.2 D70.2 D71.2 D72.2 D73.2 D74.2 D75.2 D76.2 D77.2 D78.2 J15.2 Q36.1 Q36.4 Q37.1 Q37.4 | length 1436.5
  Top Layer w7.87: D74.2@376.08,6995.61 376.08,7063.73 ; D73.2@458.81,6997.07 458.81,7065.2 ; D72.2@563.98,6997.06 563.98,7065.18 ; D71.2@638.42,6997.17 638.42,7065.27 ; D70.2@751.38,6997.06 751.38,7065.18 ; D69.2@825.83,6997.17 825.83,7065.27 ; D68.2@938.94,6997.08 938.94,7065.2 ; D67.2@1013.39,6997.17 1013.39,7065.29 ; D60.2@1124.61,6997.17 1124.61,7065.29 ; D59.2@1199.05,6997.25 1199.05,7065.38 ; D62.2@1290.16,6997.17 1290.16,7065.29 ; D61.2@1364.6,6997.25 1364.6,7065.38 ; D64.2@1472.48,6997.17 1472.48,7065.29 ; D63.2@1546.92,6997.25 1546.92,7065.38 ; D66.2@1693.03,6997.17 1693.03,7065.29 ; D65.2@1767.47,6997.25 1767.47,7065.38 ; D76.2@1882.07,6996.65 1882.07,7064.77 ; D75.2@1953.11,6996.65 1953.11,7064.77 ; Q37.1@2249.61,6733.56 2249.61,6756.97 v1@2251.23,6758.59 ; v1(2306.5,6672.96) 2306.5,6693.94 Q37.4@2306.66,6694.16 ; Q36.4@2455.58,6740.21 v1@2455.58,6762.21 ; v1(2512.14,6676.31) Q36.1@2512.14,6700.84 ; 2652.82,7058.53 2653.82,7057.53 D78.2@2653.82,6996.57 ; D77.2@2728.82,6996.57 2728.82,7050.58 2729.06,7050.83
  other v1: 2249.57,6758.59 2455.04,6762.21
3V3_SD: C268.2 C269.2 C270.2 C271.1 D49.5 D50.5 FB23.2 J13.4 Q39.3 U10.6 | length 445
  Bottom Layer w10: D49.5@7206.14,7435.04 7237.31,7435.04 7242,7439.73 7242,7494.58 7265,7517.58
  Bottom Layer w15.75: D50.5@7265,7546.85 7265,7517.58 7281.58,7501 v1@7548.68,7501
  other v1: 7548.68,7502 7594.68,7502 7469,7814 7515,7814
3V3_SD_TD: C266.2 Q39.2 U35.17 U35.21 | length 824.5
  Top Layer w8.72: v1(7277.39,7161.46) 7277.39,7083.28 7313.38,7047.29 C266.2@7333.57,7047.29
  Top Layer w10: C266.2@7333.57,7047.29 7334.14,7046.72 7369.91,7046.72 v1(7370.48,7046.15) 7463.38,7046.15 7553.46,7136.23 7553.46,7313.17 7583.23,7342.94 Q39.2@7583.23,7429
  Bottom Layer w8.72: U35.17@7266.97,7111.8 7266.97,7131.45 7277.39,7141.87 v1(7277.39,7161.46) ; U35.21@7312.25,7046.84 7369.8,7046.84 v1(7370.48,7046.15)
3V3_SENSE_N: R5.4 R206.2 | length 509.3
  Bottom Layer w6.73: R5.4@9828,2938 9898,2938 9924.27,2911.73 9924.27,2809.14 10006.63,2726.78 10167.19,2726.78 10171.13,2722.83 10171.13,2717.46 10178.59,2710 R206.2@10179.57,2710
3V3_SENSE_P: R5.1 R212.2 | length 481.4
  Bottom Layer w6.73: R5.1@10025.26,2938 9964.73,2938 9936,2909.27 9936,2814 10011.49,2738.51 10167.19,2738.51 10171.13,2742.45 10171.13,2747.83 10178.59,2755.29 R212.2@10179.57,2755.29
3V3_ZYNQ_SENSE_N: R3.4 R30.1 | length 384.4
  Bottom Layer w6.73: R3.4@9855,3677 9934,3677 9953,3658 9953,3547.41 10020.4,3480.01 10073.55,3480.01 10077.49,3476.06 10077.49,3473.7 10084.95,3466.24 R30.1@10085.94,3466.24
3V3_ZYNQ_SENSE_P: R3.1 R33.1 | length 364.3
  Bottom Layer w6.73: R3.1@10062.73,3677 9985,3677 9964.73,3656.73 9964.73,3552.27 10025.26,3491.74 10073.65,3491.74 10077.6,3495.68 10077.6,3498 10085.06,3505.46 R33.1@10086.04,3505.46
"3V ADC": C176.1 C177.1 C178.2 C179.1 C180.2 FB8.2 U21.27 U21.32 | length 48.1
  Top Layer w10: v1(2494.87,4577.57) 2494.87,4585.28 2502.05,4592.46 2502.05,4621.08 U21.27@2503.19,4622.23
  other v1: 2738.02,4585.12 2805.62,4585.12 2888.15,4585.12 2626.09,4585.51 2641.56,4611.85
3V_ADC_ANA: C23.2 R127.4 TP18.1 U5.4 U23.8 | length 894
  Power Layer 10 w10: v1@2835.21,4331.6 2860.74,4331.6 3084.28,4555.14 v1(3435.15,4555.14)
  Bottom Layer w10: v1@2830.35,4332.02 2785.84,4332.02 2767.77,4313.95 2767.77,4263.21 2780.01,4250.96 2794.7,4250.96 2804.95,4261.21 U23.8@2839.14,4261.21
  other v1: 2835.21,4333.4
4V: C1.1 C2.1 C43.2 C49.2 D17.1 D18.1 FB1.2 FB11A.1 FB11B.1 FB11C.1 FB11D.1 FB11E.1 FB11F.1 FB11G.1 FB11H.1 FB14.1 R19.1 R20.2 TP2.1 U11.1 U12.1 U30.8 | length 1229.5
  Bottom Layer w11.81: 9452.68,5200.68 9713.37,4939.98 10199.52,4939.98 10212.97,4953.43 U30.8@10244.75,4953.43
  Bottom Layer w15.75: v1(1418.25,2320.63) FB11A.1@1452.59,2320.63 ; v1(1832.46,2340.59) FB11B.1@1866.8,2340.59 ; v1(2369.96,2340.59) FB11C.1@2404.3,2340.59 ; v1(2863.99,2361.6) FB11D.1@2898.33,2361.61 ; v1(3379.12,2361.61) FB11E.1@3413.46,2361.61 ; v1(3879.54,2361.61) FB11F.1@3913.88,2361.61 ; v1(4374.77,2361.61) FB11G.1@4409.1,2361.61 ; v1(4873.32,2355.78) FB11H.1@4920.76,2355.78
  Bottom Layer w19.68: v1(4010.36,2722.39) FB14.1@4046.41,2722.39
  other v1: 9168.24,5178.05 9229.15,5178.05 9287.57,5182.54 9348.71,5182.54 9409.62,5182.54 9287.57,5221.91 9348.71,5221.91 9409.62,5221.91 9287.57,5266.13 9409.62,5266.13 9287.57,5312.47 9348.71,5312.47 9409.62,5312.47 9172.76,5351.6 9233.66,5351.6 9287.57,5351.84 9348.71,5351.84 9409.62,5351.84 3629.74,6022.22 3672.77,6022.22 3711.93,6022.22 3629.29,6062.49 3672.77,6062.49 3711.93,6062.49 5823,6183 5781,6193 5809,6227 5766,6231 5743.75,6264 5787,6264
  other v4: 3800,3984 3761,4043 3843,4043
4V_SENSE_N: R1.4 R207.2 | length 407.8
  Bottom Layer w6.73: R1.4@9831,5150 9911.45,5150 9928.27,5133.19 9928.27,5025.14 9973.45,4979.96 10085.25,4979.96 10089.19,4976.02 10089.19,4973.31 10096.65,4965.85 R207.2@10097.64,4965.85
4V_SENSE_P: R1.1 R213.2 | length 388.3
  Bottom Layer w6.73: R1.1@10035.02,5150 9953,5150 9940,5137 9940,5030 9978.31,4991.69 10085.25,4991.69 10089.19,4995.64 10089.19,4998.34 10096.65,5005.8 R213.2@10097.64,5005.8
+3V3_IN: D1.1 F3.1 J2.1 TP7.1
  other v1: 11254.98,2780.94 11442.12,2780.94 11173.6,2875.9 11257.11,2875.9 11377.7,2913.03 11257.11,2922.88 11257.11,2965.38 11640.88,2990.54 11257.11,3083.88 11257.11,3130.38 11173.6,3175.39 11256.12,3175.39 11477.13,3336.78 11664.25,3336.78 11477.13,3519.12 11664.25,3519.12 11336.3,3581.82 11336.3,3682.8 11477.13,3682.8 11664.25,3682.8 11336.3,3835.47 11477.13,3835.49 11664.25,3835.49 11336.3,3969.21 11477.13,3993.67 11664.25,3993.67 11336.3,4088.31